# KiCad board tekskey-rounded.kicad_pcb (continued)
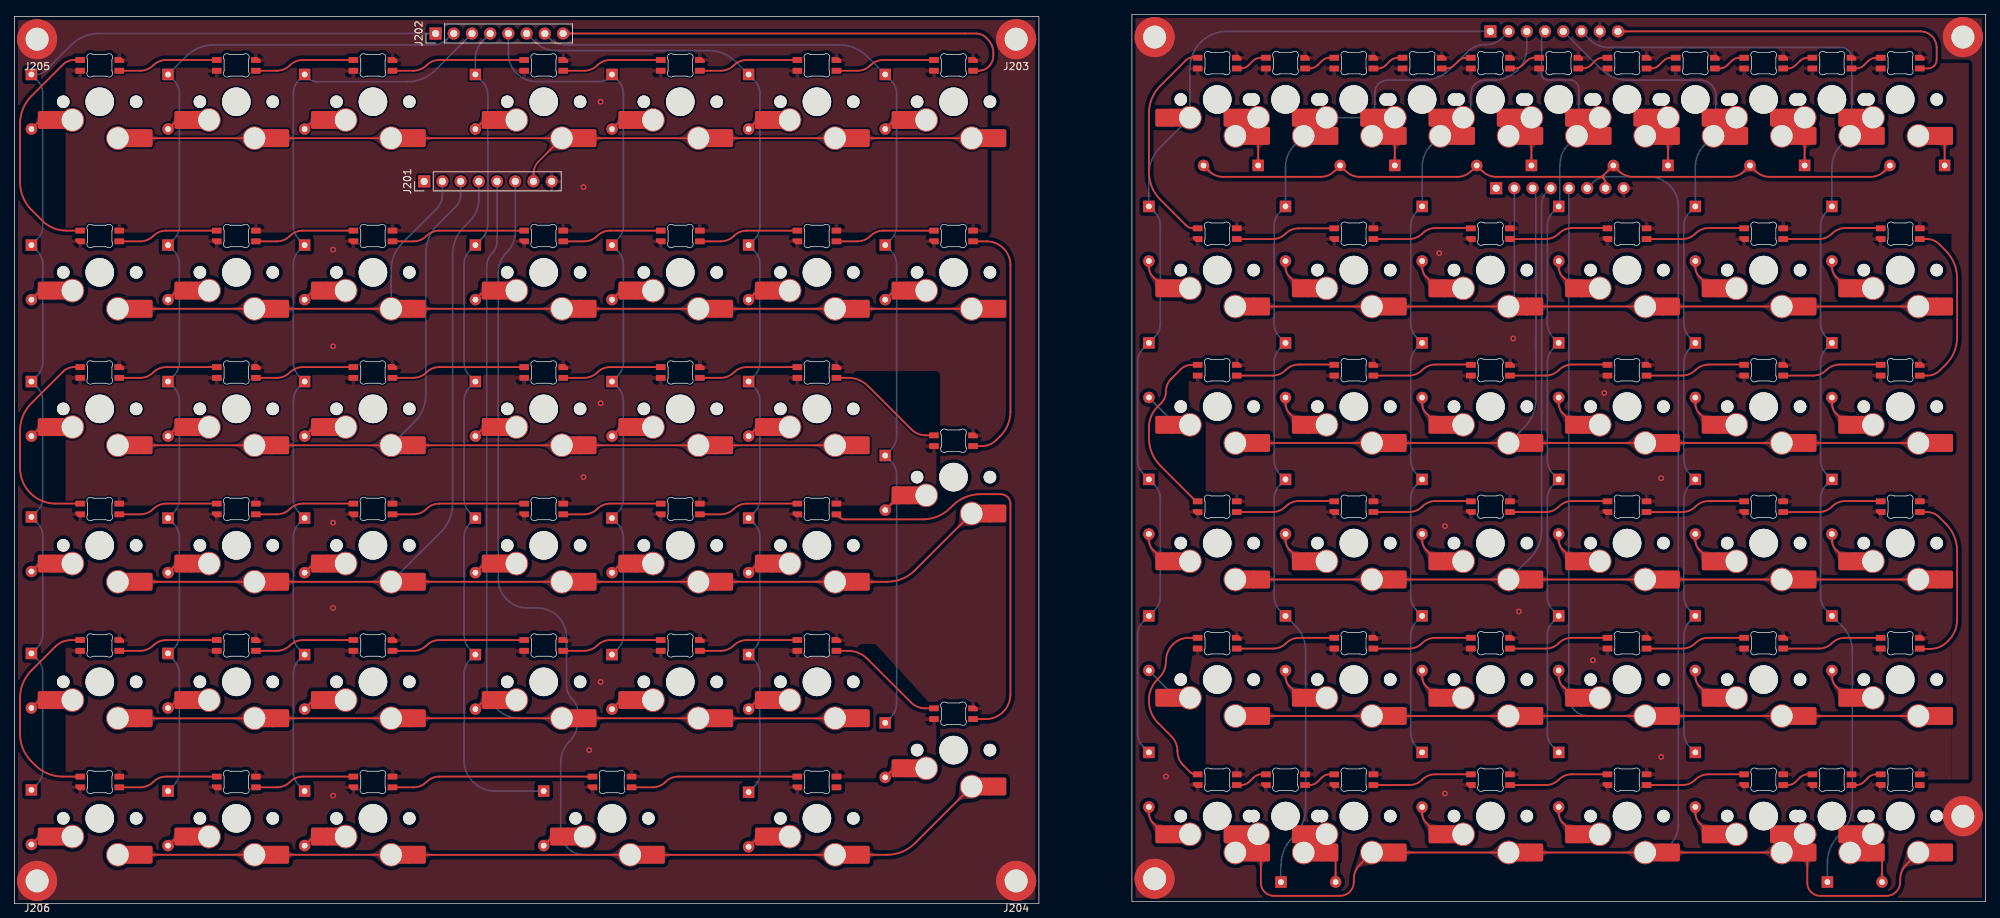
[diagram p0: board, top side]
## Copper pours and planes (outline as drawn; the poured copper is in the pictures) (continued)
row1 on Top: 233.47,83.47 233.17,83.49 232.93,83.53 232.73,83.6 232.57,83.7 232.42,83.81 232.27,83.93 232.13,84.07 231.96,84.2 231.76,84.34 231.53,84.47 230.36,83.34 231.53,82.22 231.76,82.35 231.96,82.49 232.13,82.62 232.27,82.75 232.42,82.88 232.57,82.99 232.73,83.08 232.93,83.16 233.17,83.2 233.47,83.22
row1 on Top: 224.14,83.22 224.54,83.2 224.85,83.13 225.12,83.03 225.34,82.9 225.53,82.75 225.72,82.58 225.92,82.4 226.14,82.22 226.4,82.03 226.71,81.86 228.26,83.34 226.71,84.83 226.4,84.65 226.14,84.47 225.92,84.29 225.72,84.11 225.53,83.94 225.34,83.78 225.12,83.66 224.85,83.56 224.54,83.49 224.14,83.47
row1 on Top: 195.37,83.47 195.07,83.49 194.83,83.53 194.63,83.6 194.47,83.7 194.32,83.81 194.17,83.93 194.03,84.07 193.86,84.2 193.66,84.34 193.43,84.47 192.26,83.34 193.43,82.22 193.66,82.35 193.86,82.49 194.03,82.62 194.17,82.75 194.32,82.88 194.47,82.99 194.63,83.08 194.83,83.16 195.07,83.2 195.37,83.22
row1 on Bottom: 209.05,86.45 209.03,86.12 208.96,85.86 208.86,85.66 208.73,85.49 208.56,85.35 208.37,85.23 208.16,85.11 207.93,84.99 207.68,84.85 207.42,84.69 207.99,82.62 210.03,83.34 210.01,83.73 209.96,84.06 209.87,84.34 209.77,84.59 209.67,84.83 209.56,85.08 209.46,85.34 209.38,85.65 209.32,86.01 209.3,86.45
row1 on Bottom: 209.3,98.16 209.31,98.36 209.34,98.53 209.38,98.66 209.44,98.78 209.51,98.88 209.59,98.98 209.68,99.08 209.77,99.19 209.85,99.32 209.94,99.48 209.18,100.28 208.41,99.48 208.5,99.32 208.58,99.19 208.67,99.08 208.76,98.98 208.84,98.88 208.91,98.78 208.97,98.66 209.01,98.53 209.04,98.36 209.05,98.16
row2 on Top: 252.52,64.42 252.22,64.44 251.98,64.48 251.78,64.55 251.62,64.65 251.47,64.76 251.32,64.88 251.18,65.02 251.01,65.15 250.81,65.29 250.58,65.42 249.41,64.29 250.58,63.17 250.81,63.3 251.01,63.44 251.18,63.57 251.32,63.7 251.47,63.83 251.62,63.94 251.78,64.03 251.98,64.11 252.22,64.15 252.52,64.17
row2 on Top: 224.14,64.17 224.54,64.15 224.85,64.08 225.12,63.98 225.34,63.85 225.53,63.7 225.72,63.53 225.92,63.35 226.14,63.17 226.4,62.98 226.71,62.81 228.26,64.29 226.71,65.78 226.4,65.6 226.14,65.42 225.92,65.24 225.72,65.06 225.53,64.89 225.34,64.73 225.12,64.61 224.85,64.51 224.54,64.44 224.14,64.42
row2 on Top: 243.19,64.17 243.59,64.15 243.9,64.08 244.17,63.98 244.39,63.85 244.58,63.7 244.77,63.53 244.97,63.35 245.19,63.17 245.45,62.98 245.76,62.81 247.31,64.29 245.76,65.78 245.45,65.6 245.19,65.42 244.97,65.24 244.77,65.06 244.58,64.89 244.39,64.73 244.17,64.61 243.9,64.51 243.59,64.44 243.19,64.42
row2 on Top: 262.24,64.17 262.64,64.15 262.95,64.08 263.22,63.98 263.44,63.85 263.63,63.7 263.82,63.53 264.02,63.35 264.24,63.17 264.5,62.98 264.81,62.81 266.36,64.29 264.81,65.78 264.5,65.6 264.24,65.42 264.02,65.24 263.82,65.06 263.63,64.89 263.44,64.73 263.22,64.61 262.95,64.51 262.64,64.44 262.24,64.42
row2 on Top: 195.37,64.42 195.07,64.44 194.83,64.48 194.63,64.55 194.47,64.65 194.32,64.76 194.17,64.88 194.03,65.02 193.86,65.15 193.66,65.29 193.43,65.42 192.26,64.29 193.43,63.17 193.66,63.3 193.86,63.44 194.03,63.57 194.17,63.7 194.32,63.83 194.47,63.94 194.63,64.03 194.83,64.11 195.07,64.15 195.37,64.17
row2 on Top: 214.42,64.42 214.12,64.44 213.88,64.48 213.68,64.55 213.52,64.65 213.37,64.76 213.22,64.88 213.08,65.02 212.91,65.15 212.71,65.29 212.48,65.42 211.31,64.29 212.48,63.17 212.71,63.3 212.91,63.44 213.08,63.57 213.22,63.7 213.37,63.83 213.52,63.94 213.68,64.03 213.88,64.11 214.12,64.15 214.42,64.17
row2 on Top: 186.04,64.17 186.44,64.15 186.75,64.08 187.02,63.98 187.24,63.85 187.43,63.7 187.62,63.53 187.82,63.35 188.04,63.17 188.3,62.98 188.61,62.81 190.16,64.29 188.61,65.78 188.3,65.6 188.04,65.42 187.82,65.24 187.62,65.06 187.43,64.89 187.24,64.73 187.02,64.61 186.75,64.51 186.44,64.44 186.04,64.42
row2 on Top: 176.32,64.42 176.02,64.44 175.78,64.48 175.58,64.55 175.42,64.65 175.27,64.76 175.12,64.88 174.98,65.02 174.81,65.15 174.61,65.29 174.38,65.42 173.21,64.29 174.38,63.17 174.61,63.3 174.81,63.44 174.98,63.57 175.12,63.7 175.27,63.83 175.42,63.94 175.58,64.03 175.78,64.11 176.02,64.15 176.32,64.17
row2 on Top: 205.09,64.17 205.49,64.15 205.8,64.08 206.07,63.98 206.29,63.85 206.48,63.7 206.67,63.53 206.87,63.35 207.09,63.17 207.35,62.98 207.66,62.81 209.21,64.29 207.66,65.78 207.35,65.6 207.09,65.42 206.87,65.24 206.67,65.06 206.48,64.89 206.29,64.73 206.07,64.61 205.8,64.51 205.49,64.44 205.09,64.42
row2 on Top: 233.47,64.42 233.17,64.44 232.93,64.48 232.73,64.55 232.57,64.65 232.42,64.76 232.27,64.88 232.13,65.02 231.96,65.15 231.76,65.29 231.53,65.42 230.36,64.29 231.53,63.17 231.76,63.3 231.96,63.44 232.13,63.57 232.27,63.7 232.42,63.83 232.57,63.94 232.73,64.03 232.93,64.11 233.17,64.15 233.47,64.17
row2 on Bottom: 211.44,67.87 211.15,67.39 210.87,67.02 210.57,66.74 210.26,66.55 209.93,66.4 209.58,66.3 209.2,66.21 208.79,66.12 208.34,66.01 207.84,65.85 207.8,63.71 209.94,63.75 210.12,64.26 210.27,64.69 210.4,65.06 210.53,65.4 210.66,65.72 210.8,66.04 210.96,66.39 211.16,66.77 211.39,67.22 211.66,67.76
row2 on Bottom: 212.3,98.28 212.3,98.5 212.32,98.68 212.35,98.84 212.39,98.97 212.43,99.1 212.47,99.22 212.51,99.35 212.54,99.5 212.56,99.66 212.57,99.85 211.49,100.21 211.26,99.13 211.39,99.06 211.51,99 211.62,98.94 211.73,98.88 211.82,98.82 211.9,98.75 211.96,98.67 212.01,98.56 212.04,98.43 212.05,98.28
row3 on Top: 186.04,45.12 186.44,45.1 186.75,45.03 187.02,44.93 187.24,44.8 187.43,44.65 187.62,44.48 187.82,44.3 188.04,44.12 188.3,43.93 188.61,43.76 190.16,45.24 188.61,46.73 188.3,46.55 188.04,46.37 187.82,46.19 187.62,46.01 187.43,45.84 187.24,45.68 187.02,45.56 186.75,45.46 186.44,45.39 186.04,45.37
row3 on Top: 224.14,45.12 224.54,45.1 224.85,45.03 225.12,44.93 225.34,44.8 225.53,44.65 225.72,44.48 225.92,44.3 226.14,44.12 226.4,43.93 226.71,43.76 228.26,45.24 226.71,46.73 226.4,46.55 226.14,46.37 225.92,46.19 225.72,46.01 225.53,45.84 225.34,45.68 225.12,45.56 224.85,45.46 224.54,45.39 224.14,45.37
row3 on Top: 176.32,45.37 176.02,45.39 175.78,45.43 175.58,45.5 175.42,45.6 175.27,45.71 175.12,45.83 174.98,45.97 174.81,46.1 174.61,46.24 174.38,46.37 173.21,45.24 174.38,44.12 174.61,44.25 174.81,44.39 174.98,44.52 175.12,44.65 175.27,44.78 175.42,44.89 175.58,44.98 175.78,45.06 176.02,45.1 176.32,45.12
row3 on Top: 214.42,45.37 214.12,45.39 213.88,45.43 213.68,45.5 213.52,45.6 213.37,45.71 213.22,45.83 213.08,45.97 212.91,46.1 212.71,46.24 212.48,46.37 211.31,45.24 212.48,44.12 212.71,44.25 212.91,44.39 213.08,44.52 213.22,44.65 213.37,44.78 213.52,44.89 213.68,44.98 213.88,45.06 214.12,45.1 214.42,45.12
row3 on Top: 262.24,45.12 262.64,45.1 262.95,45.03 263.22,44.93 263.44,44.8 263.63,44.65 263.82,44.48 264.02,44.3 264.24,44.12 264.5,43.93 264.81,43.76 266.36,45.24 264.81,46.73 264.5,46.55 264.24,46.37 264.02,46.19 263.82,46.01 263.63,45.84 263.44,45.68 263.22,45.56 262.95,45.46 262.64,45.39 262.24,45.37
row3 on Top: 195.37,45.37 195.07,45.39 194.83,45.43 194.63,45.5 194.47,45.6 194.32,45.71 194.17,45.83 194.03,45.97 193.86,46.1 193.66,46.24 193.43,46.37 192.26,45.24 193.43,44.12 193.66,44.25 193.86,44.39 194.03,44.52 194.17,44.65 194.32,44.78 194.47,44.89 194.63,44.98 194.83,45.06 195.07,45.1 195.37,45.12
row3 on Top: 252.52,45.37 252.22,45.39 251.98,45.43 251.78,45.5 251.62,45.6 251.47,45.71 251.32,45.83 251.18,45.97 251.01,46.1 250.81,46.24 250.58,46.37 249.41,45.24 250.58,44.12 250.81,44.25 251.01,44.39 251.18,44.52 251.32,44.65 251.47,44.78 251.62,44.89 251.78,44.98 251.98,45.06 252.22,45.1 252.52,45.12
row3 on Top: 243.19,45.12 243.59,45.1 243.9,45.03 244.17,44.93 244.39,44.8 244.58,44.65 244.77,44.48 244.97,44.3 245.19,44.12 245.45,43.93 245.76,43.76 247.31,45.24 245.76,46.73 245.45,46.55 245.19,46.37 244.97,46.19 244.77,46.01 244.58,45.84 244.39,45.68 244.17,45.56 243.9,45.46 243.59,45.39 243.19,45.37
row3 on Top: 233.47,45.37 233.17,45.39 232.93,45.43 232.73,45.5 232.57,45.6 232.42,45.71 232.27,45.83 232.13,45.97 231.96,46.1 231.76,46.24 231.53,46.37 230.36,45.24 231.53,44.12 231.76,44.25 231.96,44.39 232.13,44.52 232.27,44.65 232.42,44.78 232.57,44.89 232.73,44.98 232.93,45.06 233.17,45.1 233.47,45.12
row3 on Top: 205.09,45.12 205.49,45.1 205.8,45.03 206.07,44.93 206.29,44.8 206.48,44.65 206.67,44.48 206.87,44.3 207.09,44.12 207.35,43.93 207.66,43.76 209.21,45.24 207.66,46.73 207.35,46.55 207.09,46.37 206.87,46.19 206.67,46.01 206.48,45.84 206.29,45.68 206.07,45.56 205.8,45.46 205.49,45.39 205.09,45.37
row3 on Bottom: 210.62,47.66 210.32,47.4 210.05,47.22 209.8,47.1 209.55,47.04 209.3,47 209.05,46.99 208.79,46.98 208.5,46.96 208.19,46.9 207.84,46.8 207.8,44.66 209.94,44.7 210.04,45.05 210.09,45.36 210.12,45.65 210.13,45.91 210.14,46.17 210.17,46.41 210.24,46.66 210.35,46.92 210.53,47.19 210.8,47.48
row3 on Bottom: 213.27,98.47 213.35,98.64 213.44,98.76 213.55,98.84 213.66,98.89 213.78,98.93 213.91,98.94 214.05,98.96 214.2,98.97 214.36,99 214.53,99.05 214.56,100.15 213.45,100.13 213.39,99.94 213.35,99.78 213.32,99.64 213.29,99.5 213.27,99.38 213.25,99.25 213.22,99.11 213.18,98.95 213.12,98.77 213.04,98.56
row4 on Top: 243.19,26.07 243.59,26.05 243.9,25.98 244.17,25.88 244.39,25.75 244.58,25.6 244.77,25.43 244.97,25.25 245.19,25.07 245.45,24.88 245.76,24.71 247.31,26.19 245.76,27.68 245.45,27.5 245.19,27.32 244.97,27.14 244.77,26.96 244.58,26.79 244.39,26.63 244.17,26.51 243.9,26.41 243.59,26.34 243.19,26.32
row4 on Top: 233.47,26.32 233.17,26.34 232.93,26.38 232.73,26.45 232.57,26.55 232.42,26.66 232.27,26.78 232.13,26.92 231.96,27.05 231.76,27.19 231.53,27.32 230.36,26.19 231.53,25.07 231.76,25.2 231.96,25.34 232.13,25.47 232.27,25.6 232.42,25.73 232.57,25.84 232.73,25.93 232.93,26.01 233.17,26.05 233.47,26.07
row4 on Top: 214.42,26.32 214.12,26.34 213.88,26.38 213.68,26.45 213.52,26.55 213.37,26.66 213.22,26.78 213.08,26.92 212.91,27.05 212.71,27.19 212.48,27.32 211.31,26.19 212.48,25.07 212.71,25.2 212.91,25.34 213.08,25.47 213.22,25.6 213.37,25.73 213.52,25.84 213.68,25.93 213.88,26.01 214.12,26.05 214.42,26.07
row4 on Top: 195.37,26.32 195.07,26.34 194.83,26.38 194.63,26.45 194.47,26.55 194.32,26.66 194.17,26.78 194.03,26.92 193.86,27.05 193.66,27.19 193.43,27.32 192.26,26.19 193.43,25.07 193.66,25.2 193.86,25.34 194.03,25.47 194.17,25.6 194.32,25.73 194.47,25.84 194.63,25.93 194.83,26.01 195.07,26.05 195.37,26.07
row4 on Top: 262.24,26.07 262.64,26.05 262.95,25.98 263.22,25.88 263.44,25.75 263.63,25.6 263.82,25.43 264.02,25.25 264.24,25.07 264.5,24.88 264.81,24.71 266.36,26.19 264.81,27.68 264.5,27.5 264.24,27.32 264.02,27.14 263.82,26.96 263.63,26.79 263.44,26.63 263.22,26.51 262.95,26.41 262.64,26.34 262.24,26.32
row4 on Top: 176.32,26.32 176.02,26.34 175.78,26.38 175.58,26.45 175.42,26.55 175.27,26.66 175.12,26.78 174.98,26.92 174.81,27.05 174.61,27.19 174.38,27.32 173.21,26.19 174.38,25.07 174.61,25.2 174.81,25.34 174.98,25.47 175.12,25.6 175.27,25.73 175.42,25.84 175.58,25.93 175.78,26.01 176.02,26.05 176.32,26.07
row4 on Top: 224.14,26.07 224.54,26.05 224.85,25.98 225.12,25.88 225.34,25.75 225.53,25.6 225.72,25.43 225.92,25.25 226.14,25.07 226.4,24.88 226.71,24.71 228.26,26.19 226.71,27.68 226.4,27.5 226.14,27.32 225.92,27.14 225.72,26.96 225.53,26.79 225.34,26.63 225.12,26.51 224.85,26.41 224.54,26.34 224.14,26.32
row4 on Top: 205.09,26.07 205.49,26.05 205.8,25.98 206.07,25.88 206.29,25.75 206.48,25.6 206.67,25.43 206.87,25.25 207.09,25.07 207.35,24.88 207.66,24.71 209.21,26.19 207.66,27.68 207.35,27.5 207.09,27.32 206.87,27.14 206.67,26.96 206.48,26.79 206.29,26.63 206.07,26.51 205.8,26.41 205.49,26.34 205.09,26.32
row4 on Top: 186.04,26.07 186.44,26.05 186.75,25.98 187.02,25.88 187.24,25.75 187.43,25.6 187.62,25.43 187.82,25.25 188.04,25.07 188.3,24.88 188.61,24.71 190.16,26.19 188.61,27.68 188.3,27.5 188.04,27.32 187.82,27.14 187.62,26.96 187.43,26.79 187.24,26.63 187.02,26.51 186.75,26.41 186.44,26.34 186.04,26.32
row4 on Top: 252.52,26.32 252.22,26.34 251.98,26.38 251.78,26.45 251.62,26.55 251.47,26.66 251.32,26.78 251.18,26.92 251.01,27.05 250.81,27.19 250.58,27.32 249.41,26.19 250.58,25.07 250.81,25.2 251.01,25.34 251.18,25.47 251.32,25.6 251.47,25.73 251.62,25.84 251.78,25.93 251.98,26.01 252.22,26.05 252.52,26.07
row4 on Bottom: 224.14,26.07 224.54,26.05 224.85,25.98 225.12,25.88 225.34,25.75 225.53,25.6 225.72,25.43 225.92,25.25 226.14,25.07 226.4,24.88 226.71,24.71 228.26,26.19 226.71,27.68 226.4,27.5 226.14,27.32 225.92,27.14 225.72,26.96 225.53,26.79 225.34,26.63 225.12,26.51 224.85,26.41 224.54,26.34 224.14,26.32
row4 on Bottom: 216.92,98.16 216.93,98.36 216.96,98.53 217,98.66 217.06,98.78 217.13,98.88 217.21,98.98 217.3,99.08 217.39,99.19 217.47,99.32 217.56,99.48 216.8,100.28 216.03,99.48 216.12,99.32 216.2,99.19 216.29,99.08 216.38,98.98 216.46,98.88 216.53,98.78 216.59,98.66 216.63,98.53 216.66,98.36 216.67,98.16
row5 on Top: 250.16,4.65 250.17,4.95 250.22,5.19 250.29,5.39 250.39,5.56 250.5,5.71 250.62,5.85 250.75,6 250.89,6.17 251.03,6.36 251.16,6.6 250.03,7.77 248.91,6.6 249.04,6.36 249.17,6.17 249.31,6 249.44,5.85 249.57,5.71 249.68,5.56 249.77,5.39 249.84,5.19 249.89,4.95 249.91,4.65
row5 on Top: 263.18,3.99 263.31,4.41 263.48,4.73 263.69,4.96 263.95,5.11 264.23,5.21 264.55,5.28 264.9,5.33 265.27,5.39 265.66,5.47 266.07,5.59 266.11,7.73 263.92,7.49 263.82,7.06 263.72,6.7 263.63,6.39 263.53,6.11 263.44,5.84 263.35,5.56 263.25,5.26 263.15,4.92 263.04,4.52 262.93,4.04
row5 on Top: 195.37,7.27 195.07,7.29 194.83,7.33 194.63,7.4 194.47,7.5 194.32,7.61 194.17,7.73 194.03,7.87 193.86,8 193.66,8.14 193.43,8.27 192.26,7.14 193.43,6.02 193.66,6.15 193.86,6.29 194.03,6.42 194.17,6.55 194.32,6.68 194.47,6.79 194.63,6.88 194.83,6.96 195.07,7 195.37,7.02
row5 on Top: 205.09,7.02 205.49,7 205.8,6.93 206.07,6.83 206.29,6.7 206.48,6.55 206.67,6.38 206.87,6.2 207.09,6.02 207.35,5.83 207.66,5.66 209.21,7.14 207.66,8.63 207.35,8.45 207.09,8.27 206.87,8.09 206.67,7.91 206.48,7.74 206.29,7.58 206.07,7.46 205.8,7.36 205.49,7.29 205.09,7.27
row5 on Top: 243.19,7.02 243.59,7 243.9,6.93 244.17,6.83 244.39,6.7 244.58,6.55 244.77,6.38 244.97,6.2 245.19,6.02 245.45,5.83 245.76,5.66 247.31,7.14 245.76,8.63 245.45,8.45 245.19,8.27 244.97,8.09 244.77,7.91 244.58,7.74 244.39,7.58 244.17,7.46 243.9,7.36 243.59,7.29 243.19,7.27
row5 on Top: 247.27,7.79 247.52,7.56 247.75,7.36 247.96,7.19 248.16,7.04 248.35,6.9 248.53,6.78 248.69,6.66 248.84,6.55 248.98,6.43 249.1,6.31 250.61,6.91 249.95,8.39 249.84,8.39 249.73,8.42 249.61,8.46 249.5,8.52 249.38,8.59 249.25,8.68 249.12,8.79 248.99,8.92 248.84,9.06 248.69,9.21
row5 on Top: 224.14,7.02 224.54,7 224.85,6.93 225.12,6.83 225.34,6.7 225.53,6.55 225.72,6.38 225.92,6.2 226.14,6.02 226.4,5.83 226.71,5.66 228.26,7.14 226.71,8.63 226.4,8.45 226.14,8.27 225.92,8.09 225.72,7.91 225.53,7.74 225.34,7.58 225.12,7.46 224.85,7.36 224.54,7.29 224.14,7.27
row5 on Top: 248.86,9.03 248.62,9.27 248.39,9.47 248.18,9.64 247.97,9.79 247.78,9.93 247.61,10.05 247.45,10.16 247.3,10.28 247.16,10.4 247.03,10.52 245.53,9.92 246.19,8.44 246.3,8.43 246.41,8.41 246.53,8.37 246.64,8.31 246.76,8.24 246.88,8.14 247.01,8.03 247.15,7.91 247.29,7.77 247.45,7.62
row5 on Top: 186.98,3.99 187.11,4.41 187.28,4.73 187.49,4.96 187.75,5.11 188.03,5.21 188.35,5.28 188.7,5.33 189.07,5.39 189.46,5.47 189.87,5.59 189.91,7.73 187.72,7.49 187.62,7.06 187.52,6.7 187.43,6.39 187.33,6.11 187.24,5.84 187.15,5.56 187.05,5.26 186.95,4.92 186.84,4.52 186.73,4.04
row5 on Top: 233.47,7.27 233.17,7.29 232.93,7.33 232.73,7.4 232.57,7.5 232.42,7.61 232.27,7.73 232.13,7.87 231.96,8 231.76,8.14 231.53,8.27 230.36,7.14 231.53,6.02 231.76,6.15 231.96,6.29 232.13,6.42 232.27,6.55 232.42,6.68 232.57,6.79 232.73,6.88 232.93,6.96 233.17,7 233.47,7.02
row5 on Top: 173.96,4.65 173.97,4.95 174.02,5.19 174.09,5.39 174.19,5.56 174.3,5.71 174.42,5.85 174.55,6 174.69,6.17 174.83,6.36 174.96,6.6 173.83,7.77 172.71,6.6 172.84,6.36 172.97,6.17 173.11,6 173.24,5.85 173.37,5.71 173.48,5.56 173.57,5.39 173.64,5.19 173.69,4.95 173.71,4.65
row5 on Top: 171.43,8.15 171.65,7.91 171.84,7.71 171.99,7.52 172.12,7.35 172.23,7.19 172.34,7.03 172.45,6.87 172.58,6.7 172.72,6.51 172.9,6.31 174.41,6.91 173.75,8.39 173.55,8.38 173.37,8.36 173.21,8.36 173.05,8.36 172.9,8.38 172.76,8.42 172.61,8.48 172.46,8.57 172.31,8.7 172.13,8.85
row5 on Top: 214.42,7.27 214.12,7.29 213.88,7.33 213.68,7.4 213.52,7.5 213.37,7.61 213.22,7.73 213.08,7.87 212.91,8 212.71,8.14 212.48,8.27 211.31,7.14 212.48,6.02 212.71,6.15 212.91,6.29 213.08,6.42 213.22,6.55 213.37,6.68 213.52,6.79 213.68,6.88 213.88,6.96 214.12,7 214.42,7.02
row5 on Bottom: 170.94,7.62 171.21,7.86 171.46,8.02 171.69,8.11 171.92,8.15 172.15,8.15 172.39,8.13 172.65,8.09 172.92,8.06 173.22,8.03 173.55,8.04 174.18,10.09 172.1,10.63 171.9,10.3 171.76,10 171.67,9.72 171.6,9.46 171.55,9.2 171.48,8.94 171.39,8.68 171.25,8.41 171.05,8.12 170.76,7.8
row5 on Bottom: 220.76,101.26 220.53,101.15 220.34,101.06 220.18,101 220.03,100.94 219.89,100.9 219.75,100.86 219.6,100.82 219.44,100.78 219.26,100.73 219.06,100.66 219.03,99.55 220.14,99.57 220.2,99.77 220.24,99.95 220.29,100.28 220.32,100.42 220.37,100.56 220.44,100.68 220.54,100.81 220.68,100.92 220.87,101.03
row5 on Bottom: 248.72,9.56 248.42,9.3 248.15,9.12 247.9,9 247.65,8.94 247.4,8.9 247.15,8.89 246.89,8.88 246.6,8.86 246.29,8.8 245.94,8.7 245.9,6.56 248.04,6.6 248.14,6.95 248.19,7.26 248.22,7.55 248.23,7.81 248.24,8.07 248.27,8.31 248.34,8.56 248.45,8.82 248.63,9.09 248.9,9.38
row5 on Bottom: 247.14,7.62 247.41,7.86 247.66,8.02 247.89,8.11 248.12,8.15 248.35,8.15 248.59,8.13 248.85,8.09 249.12,8.06 249.42,8.03 249.75,8.04 250.38,10.09 248.3,10.63 248.1,10.3 247.96,10 247.87,9.72 247.8,9.46 247.75,9.2 247.68,8.94 247.59,8.68 247.45,8.41 247.25,8.12 246.96,7.8
row5 on Bottom: 172.52,9.56 172.22,9.3 171.95,9.12 171.7,9 171.45,8.94 171.2,8.9 170.95,8.89 170.69,8.88 170.4,8.86 170.09,8.8 169.74,8.7 169.7,6.56 171.84,6.6 171.94,6.95 171.99,7.26 172.02,7.55 172.03,7.81 172.04,8.07 172.07,8.31 172.14,8.56 172.25,8.82 172.43,9.09 172.7,9.38
row5 on Bottom: 230.48,7.99 230.21,7.79 229.96,7.69 229.73,7.68 229.51,7.74 229.3,7.86 229.08,8.01 228.85,8.19 228.6,8.37 228.33,8.54 228.03,8.68 226.61,7.08 228.55,5.93 228.8,6.16 229.02,6.36 229.21,6.53 229.39,6.68 229.72,6.98 229.91,7.14 230.12,7.33 230.36,7.54 230.65,7.81
Net-(D101-Pad1) on Top: 173.33,104.62 173.32,104.43 173.29,104.28 173.25,104.15 173.2,104.04 173.13,103.94 173.06,103.85 172.98,103.76 172.9,103.65 172.82,103.53 172.74,103.38 173.46,102.63 174.18,103.38 174.1,103.53 174.01,103.65 173.93,103.76 173.85,103.85 173.78,103.94 173.71,104.04 173.66,104.15 173.62,104.28 173.59,104.43 173.58,104.62
Net-(D101-Pad1) on Top: 173.58,104.71 173.6,104.98 173.64,105.19 173.72,105.37 173.82,105.51 173.94,105.63 174.07,105.75 174.23,105.86 174.39,105.98 174.56,106.13 174.74,106.3 174.02,107.75 172.59,106.97 172.65,106.69 172.73,106.45 172.82,106.25 172.92,106.07 173.02,105.89 173.12,105.72 173.2,105.52 173.27,105.3 173.31,105.03 173.33,104.71
Net-(D101-Pad1) on Top: 171.43,108.16 171.65,107.93 171.84,107.72 171.99,107.53 172.12,107.36 172.23,107.2 172.34,107.04 172.45,106.88 172.58,106.71 172.72,106.53 172.9,106.32 174.41,106.92 173.75,108.4 173.55,108.39 173.37,108.38 173.21,108.37 173.05,108.38 172.9,108.4 172.76,108.43 172.61,108.5 172.46,108.59 172.31,108.71 172.13,108.87
Net-(D101-Pad1) on Top: 172.31,108.69 172.08,108.93 171.9,109.13 171.75,109.32 171.62,109.49 171.51,109.65 171.4,109.81 171.29,109.97 171.16,110.14 171.01,110.33 170.83,110.53 169.33,109.93 169.99,108.45 170.19,108.46 170.37,108.48 170.53,108.48 170.69,108.48 170.83,108.46 170.98,108.42 171.12,108.36 171.27,108.27 171.43,108.14 171.6,107.99
Net-(D101-Pad1) on Bottom: 170.94,107.64 171.21,107.87 171.46,108.03 171.69,108.12 171.92,108.17 172.15,108.17 172.39,108.14 172.65,108.11 172.92,108.07 173.22,108.05 173.55,108.05 174.18,110.1 172.1,110.64 171.9,110.31 171.76,110.01 171.67,109.73 171.6,109.47 171.55,109.21 171.48,108.96 171.39,108.69 171.25,108.42 171.05,108.13 170.76,107.81
Net-(D101-Pad1) on Bottom: 172.52,109.57 172.22,109.31 171.95,109.13 171.7,109.01 171.45,108.95 171.2,108.92 170.95,108.9 170.69,108.89 170.4,108.87 170.09,108.81 169.74,108.71 169.7,106.57 171.84,106.61 171.94,106.96 171.99,107.28 172.02,107.56 172.03,107.83 172.04,108.08 172.07,108.32 172.14,108.57 172.25,108.83 172.43,109.1 172.7,109.39
Net-(D102-Pad1) on Top: 192.63,104.71 192.65,104.98 192.69,105.19 192.77,105.37 192.87,105.51 192.99,105.63 193.12,105.75 193.28,105.86 193.44,105.98 193.61,106.13 193.79,106.3 193.07,107.75 191.64,106.97 191.7,106.69 191.78,106.45 191.87,106.25 191.97,106.07 192.07,105.89 192.17,105.72 192.25,105.52 192.32,105.3 192.36,105.03 192.38,104.71
Net-(D102-Pad1) on Top: 190.48,108.15 190.71,107.92 190.89,107.71 191.04,107.53 191.17,107.36 191.28,107.2 191.39,107.04 191.5,106.88 191.63,106.71 191.78,106.52 191.96,106.32 193.46,106.92 192.8,108.4 192.6,108.39 192.42,108.38 192.26,108.37 192.1,108.37 191.95,108.39 191.81,108.43 191.67,108.49 191.52,108.58 191.36,108.7 191.19,108.86
Net-(D102-Pad1) on Top: 192.38,104.62 192.37,104.43 192.34,104.28 192.3,104.15 192.25,104.04 192.18,103.94 192.11,103.85 192.03,103.76 191.95,103.65 191.87,103.53 191.79,103.38 192.51,102.63 193.23,103.38 193.15,103.53 193.06,103.65 192.98,103.76 192.9,103.85 192.83,103.94 192.76,104.04 192.71,104.15 192.67,104.28 192.64,104.43 192.63,104.62
Net-(D102-Pad1) on Top: 191.47,108.58 191.4,108.66 191.35,108.73 191.32,108.81 191.31,108.89 191.3,108.96 191.31,109.04 191.33,109.11 191.36,109.19 191.39,109.26 191.42,109.34 190.68,110.11 190.1,109.11 190.19,109 190.26,108.89 190.31,108.77 190.35,108.66 190.39,108.54 190.42,108.42 190.47,108.29 190.54,108.16 190.64,108.02 190.77,107.87
Net-(D102-Pad1) on Bottom: 189.99,107.64 190.26,107.87 190.51,108.03 190.74,108.12 190.97,108.17 191.2,108.17 191.44,108.14 191.7,108.11 191.97,108.07 192.27,108.05 192.6,108.05 193.23,110.1 191.15,110.64 190.95,110.31 190.81,110.01 190.72,109.73 190.65,109.47 190.6,109.21 190.53,108.96 190.44,108.69 190.3,108.42 190.1,108.13 189.81,107.81
Net-(D102-Pad1) on Bottom: 191.57,109.57 191.27,109.31 191,109.13 190.75,109.01 190.5,108.95 190.25,108.92 190,108.9 189.74,108.89 189.45,108.87 189.14,108.81 188.79,108.71 188.75,106.57 190.89,106.61 190.99,106.96 191.04,107.28 191.07,107.56 191.08,107.83 191.09,108.08 191.12,108.32 191.19,108.57 191.3,108.83 191.48,109.1 191.75,109.39
Net-(D103-Pad1) on Top: 210.52,108.58 210.45,108.66 210.4,108.73 210.37,108.81 210.36,108.89 210.35,108.96 210.36,109.04 210.38,109.11 210.41,109.19 210.44,109.26 210.47,109.34 209.73,110.11 209.15,109.11 209.24,109 209.31,108.89 209.36,108.77 209.4,108.66 209.44,108.54 209.47,108.42 209.52,108.29 209.59,108.16 209.69,108.02 209.82,107.87
Net-(D103-Pad1) on Top: 211.68,104.71 211.7,104.98 211.74,105.19 211.82,105.37 211.92,105.51 212.04,105.63 212.17,105.75 212.33,105.86 212.49,105.98 212.66,106.13 212.84,106.3 212.12,107.75 210.69,106.97 210.75,106.69 210.83,106.45 210.92,106.25 211.02,106.07 211.12,105.89 211.22,105.72 211.3,105.52 211.37,105.3 211.41,105.03 211.43,104.71
Net-(D103-Pad1) on Top: 209.53,108.15 209.76,107.92 209.94,107.71 210.09,107.53 210.22,107.36 210.33,107.2 210.44,107.04 210.55,106.88 210.68,106.71 210.83,106.52 211.01,106.32 212.51,106.92 211.85,108.4 211.65,108.39 211.47,108.38 211.31,108.37 211.15,108.37 211,108.39 210.86,108.43 210.72,108.49 210.57,108.58 210.41,108.7 210.24,108.86
Net-(D103-Pad1) on Top: 211.43,104.62 211.42,104.43 211.39,104.28 211.35,104.15 211.3,104.04 211.23,103.94 211.16,103.85 211.08,103.76 211,103.65 210.92,103.53 210.84,103.38 211.56,102.63 212.28,103.38 212.2,103.53 212.11,103.65 212.03,103.76 211.95,103.85 211.88,103.94 211.81,104.04 211.76,104.15 211.72,104.28 211.69,104.43 211.68,104.62
Net-(D103-Pad1) on Bottom: 210.62,109.57 210.32,109.31 210.05,109.13 209.8,109.01 209.55,108.95 209.3,108.92 209.05,108.9 208.79,108.89 208.5,108.87 208.19,108.81 207.84,108.71 207.8,106.57 209.94,106.61 210.04,106.96 210.09,107.28 210.12,107.56 210.13,107.83 210.14,108.08 210.17,108.32 210.24,108.57 210.35,108.83 210.53,109.1 210.8,109.39
Net-(D103-Pad1) on Bottom: 209.04,107.64 209.31,107.87 209.56,108.03 209.79,108.12 210.02,108.17 210.25,108.17 210.49,108.14 210.75,108.11 211.02,108.07 211.32,108.05 211.65,108.05 212.28,110.1 210.2,110.64 210,110.31 209.86,110.01 209.77,109.73 209.7,109.47 209.65,109.21 209.58,108.96 209.49,108.69 209.35,108.42 209.15,108.13 208.86,107.81
Net-(D104-Pad1) on Top: 229.57,108.58 229.5,108.66 229.45,108.73 229.42,108.81 229.41,108.89 229.4,108.96 229.41,109.04 229.43,109.11 229.46,109.19 229.49,109.26 229.52,109.34 228.78,110.11 228.2,109.11 228.29,109 228.36,108.89 228.41,108.77 228.45,108.66 228.49,108.54 228.52,108.42 228.57,108.29 228.64,108.16 228.74,108.02 228.87,107.87
Net-(D104-Pad1) on Top: 228.58,108.15 228.81,107.92 228.99,107.71 229.14,107.53 229.27,107.36 229.38,107.2 229.49,107.04 229.6,106.88 229.73,106.71 229.88,106.52 230.06,106.32 231.56,106.92 230.9,108.4 230.7,108.39 230.52,108.38 230.36,108.37 230.2,108.37 230.05,108.39 229.91,108.43 229.77,108.49 229.62,108.58 229.46,108.7 229.29,108.86
